# Altium PCB PCB1.PcbDoc (part 4 of 5) (continued)
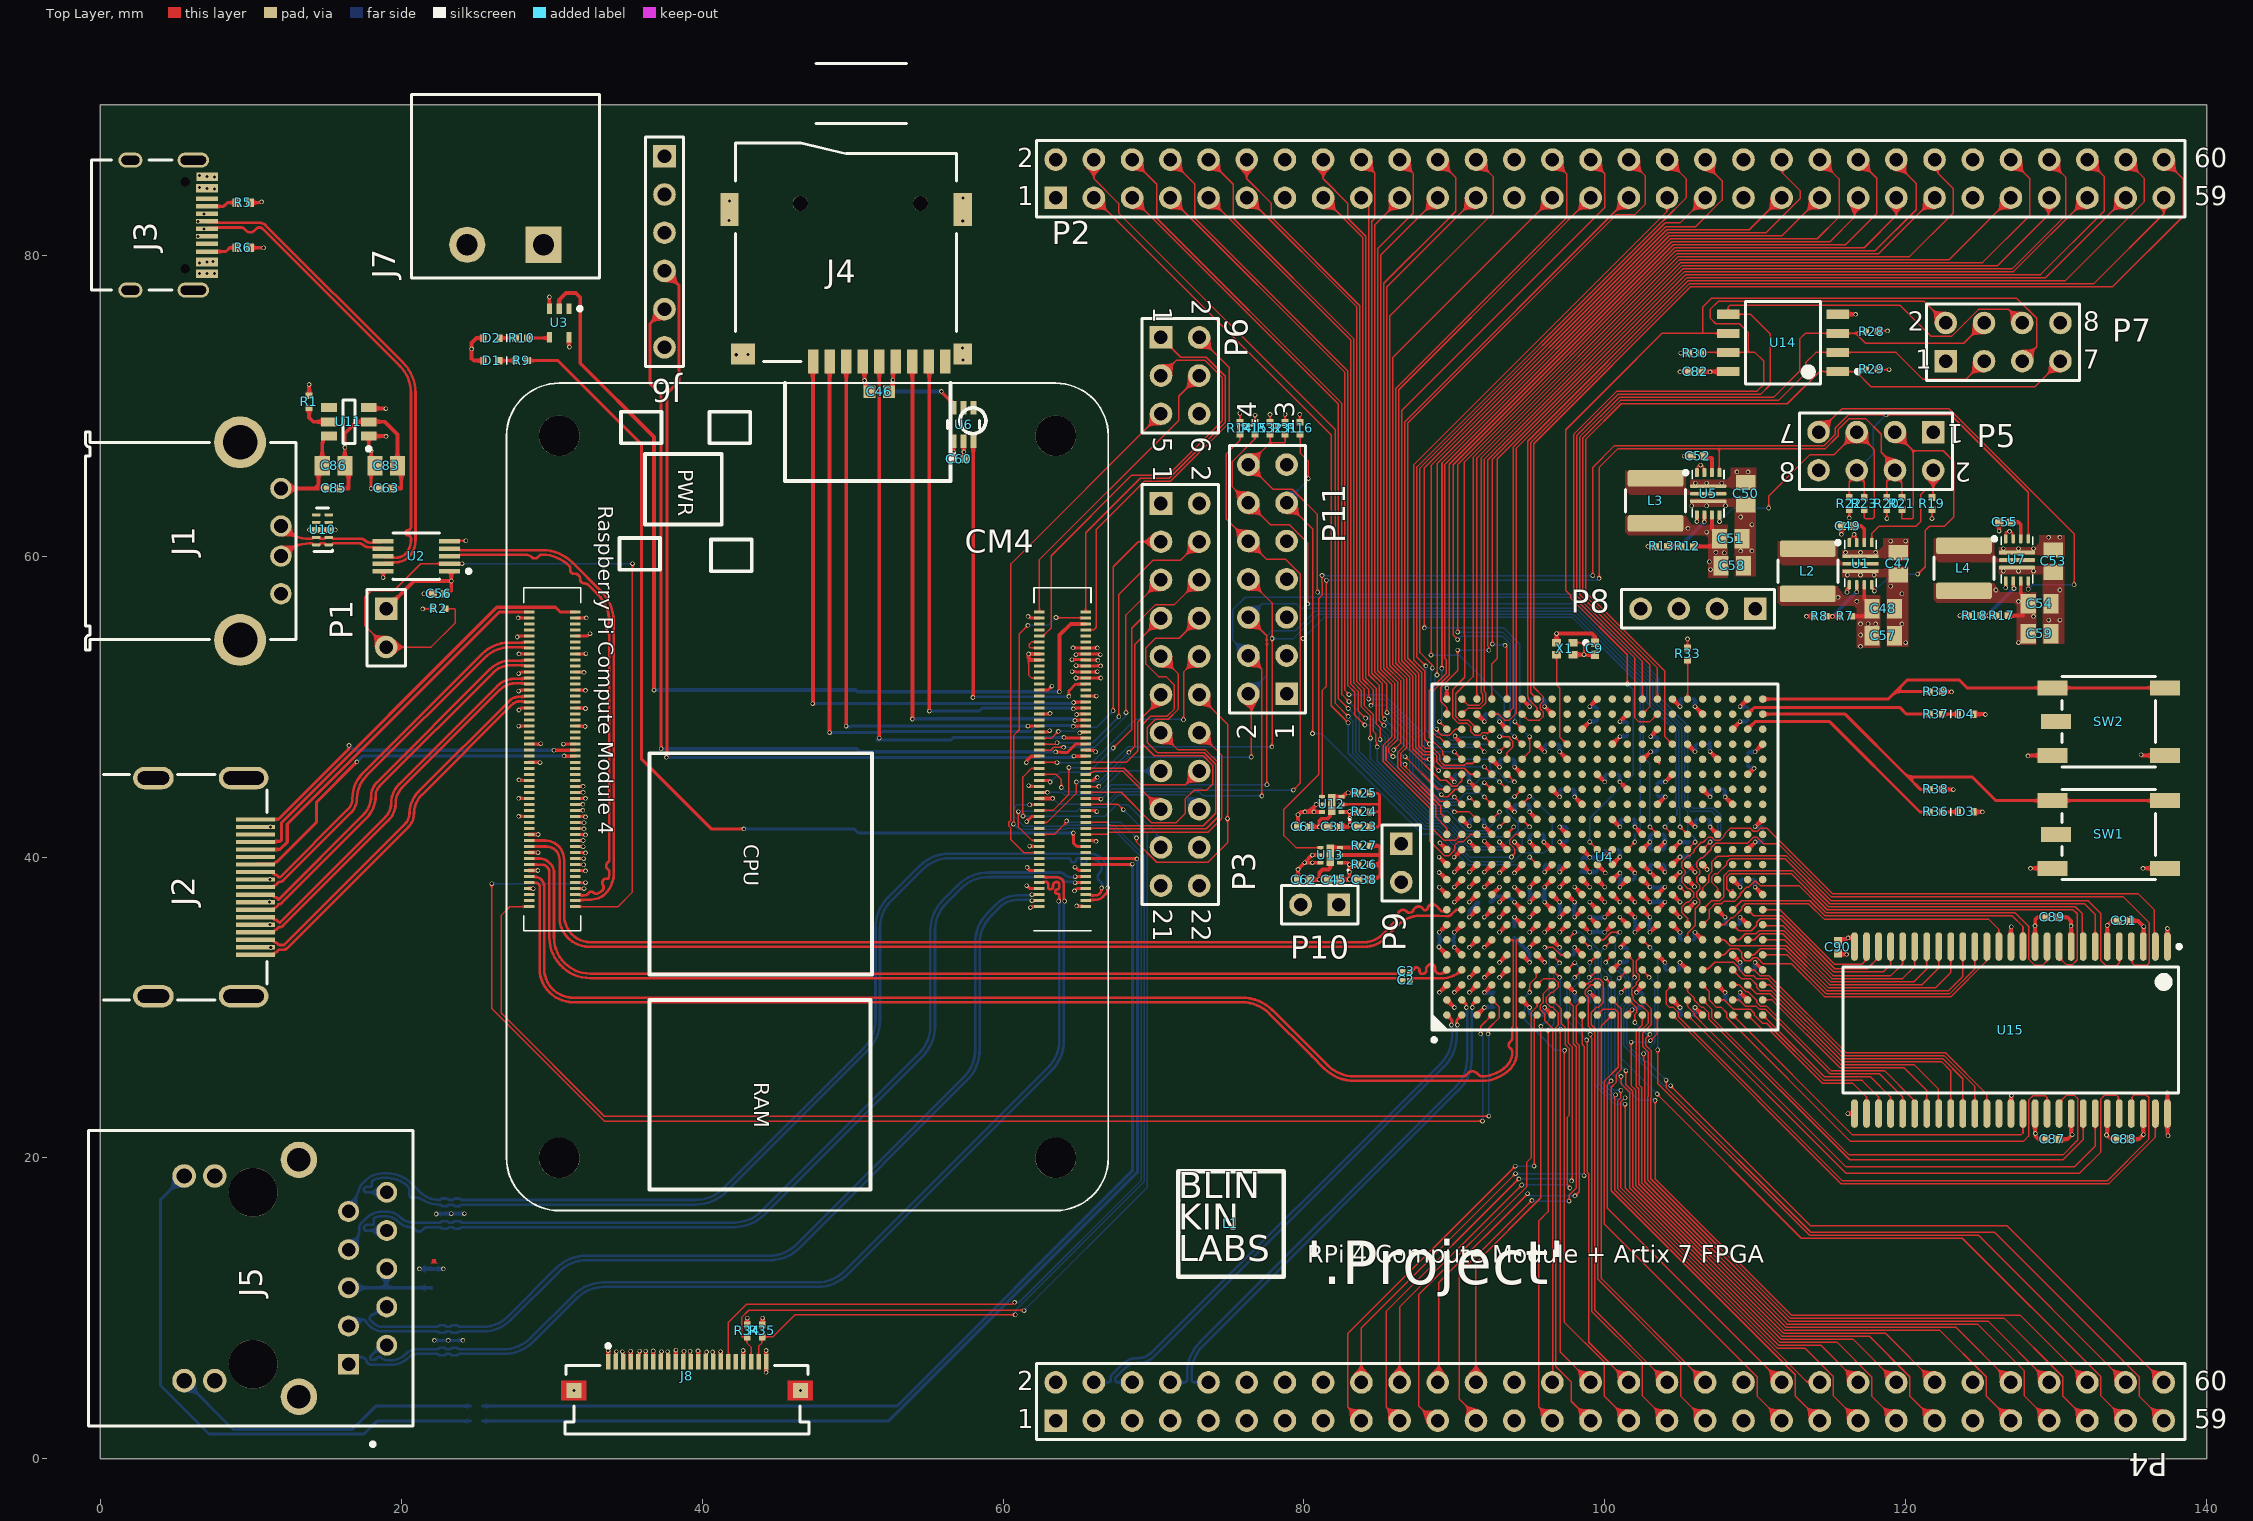
[diagram p0: Top Layer view]
## Nets (pads, with @x,y where several pads share a name; then routed paths per layer and width w, separated by ;. In a path a pad name is that pad's centre, name@x,y a point inside that pad or via, vN(x,y) a via of type N, cw(c..) or ccw(c..) an arc to the next point about the centre after c; other vN are vias at no path point) (continued)
  other v1: 31.475,4.55 46.525,4.55 131.075,21.55 11.325,33.989 11.275,35.514 11.25,37.014 11.275,38.514 120,54.25 119.75,55.5 129.5,55.75 130.25,55.75 119.75,57.5 130.25,57.75 119,58 116.125,58.75 117,58.75 117.9,58.75 126.5,59 127.5,59 128.5,59 109.025,60.35 109.775,60.35 109.775,62.1 109.025,62.6 105.775,63.35 106.775,63.35 108.025,63.35 57.342,73.049 42.267,73.389 43.038,73.402 57.295,73.85 7.092,78.775 6.6,78.8 7.6,78.8 57.324,82.285 41.797,82.302 41.823,83.609 57.342,83.821 7.6,85.2 7.1,85.225 6.6,85.3
HDMI0_CEC: CM4.151 J2.13 | length 25
  Top Layer w0.203: J2.13@10.325,39.5 10.363,39.538 11.523,39.538 11.644,39.659 11.708,39.659 14.369,42.321 14.369,43.644 v1(17.05,46.325) ; v1(30.825,46.725) 30.853,46.725 30.877,46.7 CM4.151@31.58,46.7
  Bottom Layer w0.203: v1(17.05,46.325) 17.45,46.725 v1(30.825,46.725)
HDMI0_CLK_N: CM4.190 J2.12 | length 25.5
  Top Layer w0.174: J2.12@10.325,39 11.398,39 cw(c11.398,38.91) 11.462,38.974 cw(c11.398,38.91) 11.488,38.91 ccw(c11.633,39.007) 11.552,38.852 11.566,38.845 ccw(c11.646,39) 11.636,38.826 cw(c11.625,38.64) 11.785,38.735 ccw(c11.934,38.825) 11.934,38.651 16.461,43.177 ccw(c15.763,43.875) 16.75,43.875 16.75,43.878 cw(c19.161,43.878) 17.456,45.582 25.399,53.525 cw(c27.15,51.774) 26.104,54.019 cw(c27.15,51.774) 27.15,54.251 CM4.190@28.166,54.251 ; CM4.190@28.5,54.3 CM4.190@28.285,54.3 ; CM4.190@28.166,54.251 ccw(c28.166,54.335) 28.19,54.254 ccw(c28.166,54.335) 28.224,54.274 ccw(c28.166,54.335) CM4.190@28.225,54.275 ; CM4.190@28.166,54.251 ccw(c28.166,54.335) CM4.190@28.225,54.275 ; CM4.190@28.225,54.275 cw(c28.285,54.216) CM4.190@28.285,54.3 ; CM4.190@28.225,54.275 cw(c28.285,54.216) CM4.190@28.285,54.3
HDMI0_CLK_P: CM4.188 J2.10 | length 25.4
  Top Layer w0.108: CM4.188@28.204,53.946 CM4.188@28.204,53.953
  Top Layer w0.174: J2.10@10.325,38 11.398,38 11.723,38.202 ccw(c11.625,38.36) 11.785,38.265 cw(c11.934,38.175) 11.934,38.349 ; 11.935,38.349 ccw(c11.935,38.649) 12.147,38.437 16.675,42.965 ccw(c15.768,43.873) 17.051,43.873 17.051,43.875 cw(c19.167,43.875) 17.671,45.371 25.524,53.224 cw(c27.275,51.473) 26.129,53.668 cw(c27.275,51.473) 27.275,53.949 28.166,53.949 cw(c28.166,53.865) CM4.188@28.225,53.925 ; CM4.188@28.5,53.9 CM4.188@28.285,53.9 ; CM4.188@28.225,53.925 ccw(c28.285,53.984) CM4.188@28.285,53.9 ; CM4.188@28.225,53.925 ccw(c28.285,53.984) CM4.188@28.285,53.9
HDMI0_HOTPLUG: CM4.153 J2.19 | length 23.6
  Top Layer w0.203: J2.19@10.325,42.5 11.823,42.5 16.506,47.183 16.506,47.406 v1(16.525,47.425) ; v1(30.15,47.1) CM4.153@31.58,47.1
  Bottom Layer w0.203: v1(16.525,47.425) 16.85,47.1 v1(30.15,47.1)
HDMI0_SCL: CM4.200 J2.15 | length 25.4
  Top Layer w0.203: J2.15@10.325,40.5 11.93,40.5 12.423,40.993 12.423,42.197 26.526,56.3 CM4.200@28.5,56.3
HDMI0_SDA: CM4.199 J2.16 | length 28.5
  Top Layer w0.203: J2.16@10.325,41 10.363,41.038 11.931,41.038 12.05,41.157 12.05,42.3 26.352,56.602 30.248,56.602 30.55,56.3 CM4.199@31.58,56.3
HDMI0_TX0_N: CM4.184 J2.9 | length 25.5
  Top Layer w0.174: J2.9@10.325,37.5 11.398,37.5 cw(c11.398,37.41) 11.461,37.474 cw(c11.398,37.41) 11.488,37.41 ccw(c11.633,37.507) 11.552,37.353 11.566,37.345 ccw(c11.646,37.5) 11.636,37.326 cw(c11.625,37.14) 11.798,37.21 ccw(c11.959,37.276) 11.801,37.202 11.825,37.151 17.47,42.796 ccw(c16.191,44.075) 18,44.075 18,44.077 cw(c19.204,44.077) 18.353,44.929 25.913,52.489 cw(c27.269,51.132) 27.269,53.051 28.166,53.051 ccw(c28.166,53.135) 28.19,53.054 ccw(c28.166,53.135) CM4.184@28.224,53.074 ; CM4.184@28.225,53.075 cw(c28.285,53.016) 28.285,53.1 CM4.184@28.5,53.1
HDMI0_TX0_P: CM4.182 J2.7 | length 25.4
  Top Layer w0.174: J2.7@10.325,36.5 11.398,36.5 11.723,36.702 ccw(c11.625,36.86) 11.798,36.79 cw(c11.959,36.725) 11.801,36.799 11.825,36.849 ; 11.826,36.849 ccw(c11.826,37.149) 12.038,36.937 17.687,42.586 ccw(c16.203,44.07) 18.301,44.07 18.301,44.075 cw(c19.21,44.075) 18.568,44.718 26.125,52.275 cw(c27.27,51.13) 27.27,52.749 28.166,52.749 cw(c28.166,52.665) 28.225,52.725 ccw(c28.285,52.784) 28.285,52.7 CM4.182@28.5,52.7
HDMI0_TX1_N: CM4.178 J2.6 | length 25.6
  Top Layer w0.174: J2.6@10.325,36 11.398,36 cw(c11.398,35.91) 11.462,35.974 cw(c11.398,35.91) 11.488,35.91 ccw(c11.633,36.007) 11.552,35.852 11.566,35.845 ccw(c11.647,36) 11.636,35.826 cw(c11.625,35.64) 11.785,35.735 ccw(c11.934,35.825) 11.934,35.651 18.952,42.668 ccw(c18.041,43.579) 19.329,43.579 ; 19.329,43.58 cw(c21.1,43.58) 19.848,44.832 26.395,51.379 cw(c27.534,50.24) 27.534,51.851 28.166,51.851 ccw(c28.166,51.935) 28.225,51.875 cw(c28.285,51.816) 28.285,51.9 CM4.178@28.5,51.9
HDMI0_TX1_P: CM4.176 J2.4 | length 25.5
  Top Layer w0.174: J2.4@10.325,35 11.398,35 11.723,35.202 ccw(c11.625,35.36) 11.785,35.265 cw(c11.934,35.175) 11.934,35.349 ; 11.935,35.349 ccw(c11.935,35.649) 12.147,35.437 19.165,42.456 ccw(c18.043,43.578) 19.63,43.578 ; 19.63,43.579 cw(c21.102,43.579) 20.062,44.62 26.564,51.122 cw(c27.596,50.089) 27.596,51.549 28.166,51.549 cw(c28.166,51.465) 28.225,51.525 ccw(c28.285,51.584) 28.285,51.5 CM4.176@28.5,51.5
HDMI0_TX2_N: CM4.172 J2.3 | length 25.7
  Top Layer w0.174: J2.3@10.325,34.5 11.398,34.5 cw(c11.398,34.41) 11.462,34.474 cw(c11.398,34.41) 11.488,34.41 ccw(c11.633,34.507) 11.552,34.352 11.566,34.345 ccw(c11.646,34.5) 11.636,34.326 cw(c11.625,34.14) 11.785,34.235 ccw(c11.934,34.325) 11.934,34.151 12.2,34.151 20.268,42.218 ccw(c19.586,42.9) 20.55,42.9 cw(c22.603,42.901) 21.151,44.352 27.184,50.385 cw(c27.825,49.744) 27.825,50.651 28.166,50.651 ccw(c28.166,50.735) 28.225,50.675 cw(c28.285,50.616) 28.285,50.7 CM4.172@28.5,50.7
HDMI0_TX2_P: CM4.170 J2.1 | length 25.7
  Top Layer w0.174: J2.1@10.325,33.5 11.398,33.5 11.723,33.702 ccw(c11.625,33.86) 11.785,33.765 cw(c11.934,33.675) 11.934,33.849 12.201,33.849 ccw(c12.201,34.149) 12.413,33.937 20.481,42.006 ccw(c19.588,42.899) 20.851,42.899 ; 20.851,42.9 cw(c22.605,42.9) 21.365,44.14 27.353,50.128 cw(c27.888,49.593) 27.888,50.349 28.166,50.349 cw(c28.166,50.265) 28.225,50.325 ccw(c28.285,50.384) 28.285,50.3 CM4.170@28.5,50.3
LED_0: R36.1 U4.AA20 | length 14.8
  Top Layer w0.203: U4.AA20@109.5,48.5 110,49 114.95,49 120.95,43 R36.1@121.6,43
LED_1: R37.1 U4.AA21 | length 12.5
  Top Layer w0.203: U4.AA21@109.5,49.5 109.951,49.951 119.599,49.951 120.05,49.5 R37.1@121.6,49.5
LED_ACT: CM4.21 R9.1 | length 63.1
  Top Layer w0.203: R9.1@28.4,73 30.409,73 35.982,67.427 35.982,46.5 40.607,41.875 v1(42.775,41.875) ; v1(64.675,41.599) 64.675,40.931 64.906,40.7 CM4.21@65.5,40.7
  Bottom Layer w0.203: v1(42.775,41.875) 50.1,41.875 50.377,41.598 64.674,41.598 v1(64.675,41.599)
LED_nPWR: CM4.95 U3.2 | length 63.3
  Top Layer w0.254: U3.2@30.5,76.45 30.5,77.069 30.519,77.069 30.95,77.5 31.6,77.5 31.9,77.2 31.9,72.825 36.8,67.925 v1(36.8,51.1) ; v1(63.75,50.989) 63.75,54.75 64.5,55.5 CM4.95@65.5,55.5
  Bottom Layer w0.254: v1(36.8,51.1) 50.212,51.1 50.328,50.983 63.745,50.983 v1(63.75,50.989)
MTGAVCC: C4.2 C5.1 C6.1 C23.1 C31.2 P9.1 R24.2 U4.D6 U4.D10 U4.E8 U4.F7 U4.F9 U12.1 | length 7.5
  Top Layer w0.254: C31.2@82.39,42 82.938,42 v1(83.071,42.133) ; U12.1@82.51,43 v1@83.055,43 ; R24.2@83.6,43 v1@83.055,43 ; C23.1@83.61,42 83.477,42.133 v1(83.071,42.133) ; v1(92,34) U4.D6@92.5,34.5 ; v1(92,38) U4.D10@92.5,38.5 ; v1(93,36) U4.E8@93.5,36.5 ; v1(94,36) U4.F7@94.5,35.5 ; v1(94,38) U4.F9@94.5,37.5 ; v1@83.055,43 83.055,42.149 v1(83.071,42.133)
  Bottom Layer w0.254: v1(92,38) v1@92.01,37.99 ; v1(93,36) v1@93.01,35.99 ; v1@93.99,35.99 v1(94,36) C4.2@94,35.39
  other v1: 83.055,42.574 83.035,43.029
MTGAVTT: C7.1 C8.1 C38.1 C45.2 C84.2 P10.1 R11.2 R26.2 U4.B5 U4.B7 U4.B9 U4.B11 U4.C4 U4.C8 U13.1 | length 10.1
  Top Layer w0.254: C45.2@82.39,38.5 v1@83.05,38.5 ; U13.1@82.41,39.625 82.9,39.625 v1(83.025,39.5) ; R26.2@83.6,39.5 v1(83.025,39.5) ; C38.1@83.61,38.5 v1@83.05,38.5 ; v1(90,34) U4.B5@90.5,33.5 ; v1(90,35) U4.B7@90.5,35.5 ; v1(90,37) U4.B9@90.5,37.5 ; v1(90,39) U4.B11@90.5,39.5 ; v1(91,32) U4.C4@91.5,32.5 ; v1(91,36) U4.C8@91.5,36.5 ; v1(83.025,39.5) v1(83.025,38.525) v1@83.05,38.5
  Bottom Layer w0.254: C84.2@89.89,34.5 cw(c89.624,34.234) 90,34.234 v1(90,34) ; C84.2@89.89,34.5 ccw(c89.624,34.766) 90,34.766 v1(90,35) ; v1@89.99,36.99 v1(90,37) ; v1(91,32) v1@91.01,32.01 ; v1@91.01,35.99 v1(91,36) 91.01,36.01 91.01,36.41 R11.2@91.6,37
  other v1: 83.025,39.013
NetC1_2: C1.2 J5.5 J5.6 | length 6.8
  Bottom Layer w0.254: J5.5@16.5,11.365 19,11.365 ; J5.6@19.04,12.635 19,12.595 19,11.365 ; C1.2@22,11.35 21.985,11.365 19,11.365
NetC23_2: C23.2 R24.1 R25.2 U12.2 | length 6.5
  Top Layer w0.174: U12.2@82.51,43.5 85,43.5 85.025,43.475 ; C23.2@84.39,42 84.9,42 85.025,42.125 85.025,42.975 ; R24.1@84.4,43 85,43 85.025,42.975 ; R25.2@84.4,44.25 84.9,44.25 85.025,44.125 85.025,43.475 ; 85.025,42.975 85.025,43.475
NetC38_2: C38.2 R26.1 R27.2 U13.2 | length 6.8
  Top Layer w0.254: U13.2@82.41,40.125 85.075,40.125 85.1,40.15 ; C38.2@84.39,38.5 84.523,38.633 84.933,38.633 85.1,38.8 85.1,39.5 ; R26.1@84.4,39.5 85.1,39.5 ; R27.2@84.4,40.75 84.95,40.75 85.1,40.6 85.1,40.15 ; 85.1,39.5 85.1,40.15
NetC49_1: C49.1 U1.9 | length 1.7
  Top Layer w0.254: C49.1@116.54,62 117.05,62 117.25,61.8 U1.9@117.25,60.9
NetC52_1: C52.1 U5.9 | length 1.6
  Top Layer w0.254: C52.1@106.565,66.65 106.698,66.517 107.108,66.517 107.125,66.5 U5.9@107.125,65.55
NetC55_1: C55.1 U7.9 | length 1.7
  Top Layer w0.254: C55.1@126.99,62.25 126.991,62.249 127.501,62.249 127.65,62.1 U7.9@127.65,61.15
NetD1_2: D1.2 R9.2 | length 1.1
  Top Layer w0.203: D1.2@26.525,73 R9.2@27.6,73
NetD2_2: D2.2 R10.2 | length 1.1
  Top Layer w0.203: D2.2@26.525,74.5 R10.2@27.6,74.5
NetD3_2: D3.2 R36.2 | length 1.1
  Top Layer w0.203: R36.2@122.4,43 D3.2@123.475,43
NetD4_2: D4.2 R37.2 | length 1.1
  Top Layer w0.203: R37.2@122.4,49.5 D4.2@123.475,49.5
NetJ3_A5: J3.A5 R5.1 | length 2.1
  Top Layer w0.203: J3.A5@7.092,83.25 8.2,83.25 8.45,83.5 R5.1@9.05,83.5
NetJ3_B5: J3.B5 R6.1 | length 2.1
  Top Layer w0.203: J3.B5@7.092,80.25 8.35,80.25 8.6,80.5 R6.1@9.05,80.5
NetJ5_L2: J5.L2 R3.2 | length 36.9
  Bottom Layer w0.203: J5.L2@5.57,18.8 4,17.23 4,4.875 7.225,1.65 8.693,1.65 8.695,1.648 16.875,1.648 16.877,1.65 17.525,1.65 18.375,2.5 R3.2@24.6,2.5
NetJ5_L4: J5.L4 R4.2 | length 21
  Bottom Layer w0.203: J5.L4@5.57,5.2 8.82,1.95 16.75,1.95 18.3,3.5 R4.2@24.6,3.5
NetL2_1: L2.1 U1.2
NetL3_1: L3.1 U5.2
NetL4_1: L4.1 U7.2
NetR1_2: R1.2 U11.5 | length 2.1
  Top Layer w0.254: R1.2@13.874,69.858 13.874,69.208 14.152,68.93 U11.5@15.19,68.93
NetR7_1: R7.1 R8.2 U1.5 | length 3.7
  Top Layer w0.254: R8.2@114.7,56 v1(115.125,56) ; v1@115.135,56.01 v1(115.125,56) ; R7.1@115.6,56 v1(115.125,56) ; v1(116.75,57.625) U1.5@116.75,58.1
  Bottom Layer w0.254: v1@115.135,56.01 v1(116.75,57.625)
NetR10_1: R10.1 U3.4 | length 1.5
  Top Layer w0.203: R10.1@28.4,74.5 29.8,74.5 U3.4@29.85,74.55
NetR11_1: R11.1 U4.F8 | length 2.6
  Top Layer w0.254: v1(94,37) U4.F8@94.5,36.5
  Bottom Layer w0.254: R11.1@92.4,37 92.778,37.378 93.622,37.378 v1(94,37)
NetR12_1: R12.1 R13.2 U5.5 | length 4
  Top Layer w0.254: R13.2@104.175,60.65 v1(104.675,60.65) R12.1@105.075,60.65 ; v1(106.625,62.274) U5.5@106.625,62.75
  Bottom Layer w0.254: v1(104.675,60.65) 105.001,60.65 v1(106.625,62.274)
NetR17_1: R17.1 R18.2 U7.5 | length 4
  Top Layer w0.254: R18.2@125,56.05 v1(125.5,56.05) R17.1@126,56.05 ; U7.5@127.15,58.35 127.152,58.348 127.152,57.912 127.2,57.864 v1(127.2,57.85)
  Bottom Layer w0.254: v1(125.5,56.05) 125.51,56.06 125.51,56.16 v1(127.2,57.85)
nEXTRST: CM4.100 P6.4 | length 20.1
  Top Layer w0.1: CM4.100@62.42,56.3 62.42,59.77 71.675,69.025 71.675,70.635 P6.4@73.04,72
nRPIBOOT: CM4.93 P6.2 | length 25.6
  Top Layer w0.1: CM4.93@65.5,55.1 66.025,55.1 66.2,55.275 66.2,61.775 69.4,64.975 71.138,64.975 75.05,68.887 75.05,72.53 P6.2@73.04,74.54
PCIe_CLK_N: CM4.112 U4.E6 | length 83.4
  Top Layer w0.1: U4.E6@93.5,34.5 93.8,34.5 cw(c93.8,34.4) 93.871,34.471 cw(c93.8,34.4) 93.9,34.4 ; 93.855,28.663 ccw(c93.733,28.785) 93.906,28.785 93.901,29.496 cw(c94.5,29.5) 93.901,29.507 93.906,29.889 ccw(c93.806,29.89) 93.906,29.891 93.901,30.495 93.901,30.5 93.901,32.5 93.901,32.504 93.906,33.13 93.906,34.445 ccw(c93.828,34.445) 93.883,34.5
  Top Layer w0.174: CM4.112@28.5,38.7 28.831,38.7 cw(c28.831,38.029) 29.501,38.029 29.501,32.574 ccw(c31.425,32.574) 31.425,30.65 75.9,30.65 cw(c75.9,27.811) 77.908,29.818 81.557,26.169 ccw(c83.353,27.965) 83.353,25.425 90.586,25.425 ccw(c90.586,25.707) 90.785,25.508 90.929,25.651 cw(c91.183,25.397) 91.183,25.757 cw(c91.183,25.263) 91.532,25.612 91.639,25.505 ccw(c91.832,25.698) 91.832,25.425 ccw(c91.832,27.736) 93.466,26.102 ccw(c92.528,27.04) 93.855,27.04 ccw(c93.573,27.04) 93.773,27.239 ; 93.729,27.727 93.684,27.682 ccw(c93.858,27.508) 93.612,27.508 ccw(c93.873,27.508) 93.689,27.323 93.772,27.24 ; 93.729,27.727 ccw(c93.426,28.03) 93.855,28.03 93.855,28.663
PCIe_CLK_P: CM4.110 U4.F6 | length 83.3
  Top Layer w0.1: 94.1,32.998 94.1,34.4 cw(c94.2,34.4) 94.129,34.471 cw(c94.2,34.4) 94.2,34.5 U4.F6@94.5,34.5 ; 94.106,29.887 94.101,29.505 ccw(c94.5,29.5) 94.101,29.5 ccw(c94.5,29.5) 94.101,29.497 94.106,28.787 cw(c93.906,28.785) 94.106,28.785 ccw(c94.279,28.785) 94.156,28.663 ; 94.106,29.888 94.106,29.89 ccw(c93.806,29.89) 94.106,29.893 94.101,30.496 cw(c94.5,30.5) 94.101,30.5 94.101,32.5 cw(c94.5,32.5) 94.101,32.504 94.106,32.998
  Top Layer w0.174: CM4.110@28.5,38.3 28.929,38.3 cw(c28.929,38.029) 29.2,38.029 29.2,32.574 ccw(c31.425,32.574) 31.425,30.349 75.899,30.349 cw(c75.899,27.809) 77.695,29.605 80.5,26.8 ; 80.526,26.774 81.345,25.955 ccw(c83.353,27.963) 83.353,25.124 91.836,25.124 ccw(c91.836,27.727) 93.677,25.886 93.681,25.891 ccw(c92.535,27.037) 94.156,27.037 94.156,28.663
PCIe_nREQ: CM4.102 U4.D2 | length 85.3
  Top Layer w0.1: CM4.102@28.5,36.7 27.219,36.7 26.662,36.142 26.662,29.613 33.5,22.775 v1(92.3,22.775) ; v1(92.25,28.25) 92.25,28.582 92.999,29.331 92.999,30.018 92.517,30.5 U4.D2@92.5,30.5
  Bottom Layer w0.1: v1(92.25,28.25) 92.275,28.225 92.275,22.8 v1(92.3,22.775)
PCIe_nRST: CM4.109 U4.D1 | length 91.6
  Top Layer w0.1: v1(26.017,38.229) 26.017,29.933 33.5,22.45 v1(91.875,22.45) ; CM4.109@31.58,38.3 v1(32.25,38.3) ; v1(91.75,28.25) 91.75,28.75 U4.D1@92.5,29.5
  Bottom Layer w0.1: v1(26.017,38.229) 32.179,38.229 v1(32.25,38.3) ; v1(91.75,28.25) 91.75,28.195 91.875,28.07 v1(91.875,22.45)
PCIe_RX_C_N: C3.1 U4.A4 | length 3.7
  Top Layer w0.174: C3.1@87.06,32.4 87.091,32.4 ccw(c87.091,32.648) 87.266,32.472 ; 87.266,32.473 87.28,32.487 ccw(c87.189,32.578) 87.318,32.578 87.396,32.656 cw(c87.424,32.629) 87.424,32.668 87.477,32.668 cw(c87.477,32.503) 87.593,32.619 87.648,32.564 cw(c87.569,32.485) 87.681,32.485 87.681,32.449 ccw(c87.928,32.449) 87.753,32.275 ccw(c87.813,32.335) 87.813,32.25 87.943,32.25 ccw(c87.943,32.425) 88.035,32.276 88.043,32.281 88.085,32.324 ccw(c87.989,32.42) 88.125,32.42 88.125,32.524 cw(c88.443,32.524) 88.218,32.749 88.277,32.807 ; 88.277,32.807 cw(c88.435,32.648) 88.435,32.873 88.485,32.873 cw(c88.485,32.661) 88.635,32.811 88.646,32.799 cw(c88.45,32.603) 88.728,32.603 88.728,32.506 ccw(c88.954,32.506) 88.794,32.346 ccw(c89.025,32.577) 89.025,32.25 89.175,32.25 89.394,32.344 ccw(c89.326,32.504) 89.449,32.381 89.452,32.383 ccw(c89.335,32.5) U4.A4@89.5,32.5
PCIe_RX_C_P: C2.1 U4.B4 | length 3.6
  Top Layer w0.174: C2.1@87.06,31.8 87.07,31.823 cw(c87.373,31.52) 87.371,31.949 89.323,31.949 89.331,31.95 ccw(c89.15,33.85) U4.B4@90.5,32.5
PCIe_RX_N: C3.2 CM4.118 | length 64.3
  Top Layer w0.174: CM4.118@28.5,39.9 29.226,39.9 cw(c29.226,39.1) 29.809,39.648 cw(c29.226,39.1) 29.819,39.638 cw(c29.325,38.975) 30.14,39.111 30.151,39.1 30.151,34.666 ccw(c32.566,34.666) 32.566,32.251 86.18,32.251 ccw(c86.18,32.664) 86.472,32.372 cw(c86.54,32.303) C3.2@86.54,32.4
PCIe_RX_P: C2.2 CM4.116 | length 64.2
  Top Layer w0.174: CM4.116@28.5,39.5 29.325,39.5 cw(c29.325,38.975) 29.85,38.975 29.85,34.666 ccw(c32.566,34.666) 32.566,31.949 86.18,31.949 cw(c86.18,31.536) C2.2@86.472,31.828
PCIe_TX_N: CM4.124 U4.A8 | length 68.2
  Top Layer w0.174: CM4.124@28.5,41.1 29.551,41.1 cw(c29.551,39.825) 30.826,39.825 30.826,36.113 ccw(c32.6,36.113) 32.6,34.339 84.01,34.339 ccw(c84.01,36.017) 85.196,34.831 86.237,35.872 ccw(c86.205,35.904) 86.251,35.904 ccw(c86.215,35.94) 86.266,35.94 86.266,36.22 cw(c86.456,36.22) 86.321,36.354 86.366,36.399 cw(c86.582,36.183) 86.582,36.488 cw(c86.582,36.156) 86.817,36.391 86.843,36.365 ccw(c87.013,36.536) 87.013,36.295 87.029,36.295 87.139,36.328 ccw(c87.089,36.495) 87.211,36.37 ; 87.212,36.371 87.218,36.377 87.257,36.416 ; 87.258,36.417 87.259,36.418 cw(c87.428,36.418) 87.309,36.537 87.383,36.611 cw(c87.631,36.363) 87.631,36.714 87.634,36.714 cw(c87.634,36.386) 87.865,36.618 88.024,36.46 ccw(c88.024,36.725) 88.211,36.537 88.237,36.564 88.237,36.597 cw(c88.43,36.597) 88.294,36.734 88.33,36.77 cw(c88.545,36.556) 88.545,36.859 cw(c88.545,36.544) 88.767,36.767 88.966,36.569 88.966,36.564 89.138,36.391 89.203,36.387 89.294,36.38 ccw(c89.307,36.554) 89.416,36.418 89.424,36.424 U4.A8@89.5,36.5
PCIe_TX_P: CM4.122 U4.B8 | length 68.3
  Top Layer w0.174: CM4.122@28.5,40.7 29.65,40.7 cw(c29.65,39.825) 30.525,39.825 30.525,35.988 ccw(c32.475,35.988) 32.475,34.038 84.012,34.038 ccw(c84.012,36.012) 85.408,34.616 86.297,35.505 cw(c87.73,34.073) 87.73,36.099 89.01,36.099 89.468,36.065 ccw(c89.5,36.5) 89.797,36.18 90.091,36.453 cw(c90.21,36.326) 90.21,36.5 U4.B8@90.5,36.5
PI_+1.8: CM4.88 CM4.90 | length 1.6
  Top Layer w0.1: CM4.88@62.42,53.9 61.809,53.9 61.75,53.959 61.75,54.15 61.9,54.3 CM4.90@62.42,54.3
PI_+3.3: C56.2 C60.2 CM4.78 CM4.84 CM4.86 D1.1 D2.1 J5.L1 J5.L3 J8.22 P1.1 P3.1 P3.2 R34.2 R35.2 U2.1 U3.5 U6.1 | length 18.5
  Top Layer w0.1: 61.7,53.249 61.7,52.1 61.9,51.9 CM4.78@62.42,51.9
  Top Layer w0.254: P1.1@19,56.5 20.849,58.349 v1(23.326,58.349) ; C56.2@22.89,57.5 23.023,57.633 23.26,57.633 23.326,57.698 v1(23.326,58.349) ; U2.1@23.326,59 v1(23.326,58.349) ; D1.1@25.475,73 24.824,73 24.675,73.149 v1(24.675,73.775) 24.675,74.175 25,74.5 D2.1@25.475,74.5 ; U3.5@31.15,74.55 31.15,73.939 31.175,73.914 v1(31.175,73.9) ; R34.2@43,8.9 v1(43,9.35) ; R35.2@44,8.9 44.015,8.915 44.015,9.34 v1(44.025,9.35) ; v1(44.25,5.75) v1(44.25,7.2) J8.22@44.25,6.45 ; C60.2@56.66,66.45 56.693,66.483 56.693,67.618 U6.1@56.725,67.65 U6.1@56.675,67.7 ; CM4.84@62.42,53.1 61.849,53.1 61.7,53.249 v1(61.7,53.5) CM4.86@62.42,53.5
  other v1: 56.71,66.915
PI_GPIO2: CM4.58 P3.3 | length 19.1
  Top Layer w0.1: CM4.58@62.42,47.9 63.225,47.9 v1(63.675,48.35) ; v1(67.325,49.725) 67.325,59.3 68.985,60.96 P3.3@70.5,60.96
  Bottom Layer w0.1: v1(63.675,48.35) 64.76,48.35 65.036,48.626 66.226,48.626 v1(67.325,49.725)
PI_GPIO3: CM4.56 P3.4 | length 21
  Top Layer w0.1: CM4.56@62.42,47.5 63.448,47.5 63.545,47.597 v1(63.6,47.597) ; v1(67.7,49.325) 67.7,57.45 69.975,59.725 71.805,59.725 P3.4@73.04,60.96
  Bottom Layer w0.1: v1(63.6,47.597) 65.972,47.597 v1(67.7,49.325)
PI_GPIO4: CM4.54 P3.5 | length 16.7
  Top Layer w0.1: CM4.54@62.42,47.1 63.179,47.1 63.375,47.296 63.725,47.296 63.743,47.314 63.986,47.314 64.004,47.296 v1(64.025,47.296) ; v1(68.175,49.6) 68.175,56.095 P3.5@70.5,58.42
  Bottom Layer w0.1: v1(64.025,47.296) 64.031,47.301 66.102,47.301 68.136,49.335 68.136,49.561 v1(68.175,49.6)
PI_GPIO5: CM4.34 P3.6 | length 22
  Top Layer w0.1: CM4.34@62.42,43.1 63.325,43.1 64.375,44.15 v1(64.375,45.95) ; v1(67.324,47.251) 68.552,48.478 68.552,55.203 70.128,56.779 71.399,56.779 P3.6@73.04,58.42
  Bottom Layer w0.1: v1(64.375,45.95) 65.769,45.95 66.025,45.95 v1@67.324,47.249
PI_GPIO6: CM4.30 P3.7 | length 18.1
  Top Layer w0.1: CM4.30@62.42,42.3 62.927,42.3 64.878,44.251 v1(64.878,45.002) ; v1(68.362,46.96) 68.751,47.349 68.751,54.131 P3.7@70.5,55.88
  Bottom Layer w0.1: v1(64.878,45.002) v1(64.878,45.002) 66.402,45 v1(68.362,46.96)
PI_GPIO8: CM4.39 P3.8 | length 30.8
  Top Layer w0.1: CM4.39@65.5,44.3 67.855,44.3 69.675,42.48 69.874,42.281 71.506,42.281 72.1,42.875 72.1,43.85 72.682,44.432 73.507,44.432 73.939,44.864 73.939,46.092 73.305,46.727 70.048,46.727 69.25,47.525 69.25,48.8 69.808,49.358 70.908,49.358 71.399,49.849 71.399,51.426 70.826,51.999 70.326,51.999 69.5,52.825 69.5,53.907 70.143,54.55 71.71,54.55 P3.8@73.04,55.88
PI_GPIO16: CM4.29 P3.9 | length 25
  Top Layer w0.1: CM4.29@65.5,42.3 66.912,42.3 67.13,42.082 73.307,42.082 74.138,42.913 74.138,46.175 73.416,46.896 73.387,46.926 70.274,46.926 69.601,47.599 69.601,48.632 70.128,49.159 70.99,49.159 71.64,49.809 71.64,52.2 P3.9@70.5,53.34
PI_GPIO17: CM4.50 P3.10 | length 15.4
  Top Layer w0.1: CM4.50@62.42,46.3 62.434,46.286 63.588,46.286 v1(63.602,46.272) ; v1(72,49.125) 72,52.3 P3.10@73.04,53.34
  Bottom Layer w0.1: v1(63.602,46.272) 65.92,46.272 68.807,49.159 71.966,49.159 v1(72,49.125)
PI_GPIO18: CM4.49 P3.11 | length 8.2
  Top Layer w0.1: CM4.49@65.5,46.3 68.2,46.3 68.95,47.05 68.95,48.969 70.5,50.519 P3.11@70.5,50.8
PI_GPIO19: CM4.26 P3.12 | length 25.4
  Top Layer w0.1: CM4.26@62.42,41.5 63.4,41.5 64.225,42.325 v1(64.225,42.4) ; v1(68.875,41.275) 68.875,40.994 70.219,39.65 73.625,39.65 74.925,40.95 v1(74.925,42.55) 74.925,48.825 73.04,50.71 P3.12@73.04,50.8
  Bottom Layer w0.1: v1(64.225,42.4) 64.225,42.359 64.284,42.3 65.5,42.3 67.85,42.3 v1(68.875,41.275)
PI_GPIO20: CM4.27 P3.13 | length 17.4
  Top Layer w0.1: CM4.27@65.5,41.9 67.031,41.9 67.048,41.883 73.508,41.883 74.337,42.712 74.337,46.257 73.47,47.125 71.635,47.125 P3.13@70.5,48.26
PI_GPIO21: CM4.25 P3.14 | length 15.8
  Top Layer w0.1: CM4.25@65.5,41.5 66.9,41.5 67.05,41.65 73.625,41.65 74.55,42.575 74.55,46.75 P3.14@73.04,48.26
PI_GPIO22: CM4.46 P3.15 | length 9.4
  Top Layer w0.1: CM4.46@62.42,45.5 63.525,45.5 63.875,45.15 v1(63.875,44.625)
  Bottom Layer w0.1: v1(63.875,44.625) 64.148,44.352 66.459,44.352 67.826,45.72 P3.15@70.5,45.72
PI_GPIO23: CM4.47 P3.16 | length 8.4
  Top Layer w0.1: CM4.47@65.5,45.9 68.061,45.9 69.14,44.821 72.141,44.821 P3.16@73.04,45.72
PI_GPIO24: CM4.45 P3.17 | length 6.1
  Top Layer w0.1: CM4.45@65.5,45.5 65.75,45.5 65.901,45.651 66,45.651 66.05,45.701 67.979,45.701 P3.17@70.5,43.18
PI_GPIO26: CM4.24 P3.18 | length 15.7
  Top Layer w0.1: v1(61.025,43.024) 61.025,41.995 61.92,41.1 CM4.24@62.42,41.1
  Bottom Layer w0.1: v1(61.025,43.024) 61.051,43.05 64.925,43.05 65.196,43.321 66.871,43.321 67.699,44.15 72.07,44.15 P3.18@73.04,43.18
PI_GPIO27: CM4.48 P3.19 | length 15
  Top Layer w0.1: v1(61.326,42.719) 61.326,45.327 61.899,45.9 CM4.48@62.42,45.9
  Bottom Layer w0.1: v1(61.326,42.719) 66.794,42.719 67.55,43.475 68.3,43.475 70.235,41.54 70.235,40.905 P3.19@70.5,40.64
PI_SCL0: CM4.35 J8.20 R34.1 | length 62.4
  Top Layer w0.1: J8.20@43.25,6.45 43.25,7.425 42.975,7.7 42.975,8.075 R34.1@43,8.1 42.626,8.1 42.626,9.402 43.1,9.876 61.374,9.876 v1(61.4,9.85) ; CM4.35@65.5,43.5 67.65,43.5 v1(68,43.15)
  Bottom Layer w0.1: v1(61.4,9.85) 69.601,18.051 69.601,41.549 v1(68,43.15)
PI_SDA1: CM4.36 J8.21 R35.1 | length 65.4
  Top Layer w0.1: J8.21@43.75,6.45 43.75,7.475 43.975,7.7 43.975,8.075 R35.1@44,8.1 44.7,8.1 46.175,9.575 v1(60.825,9.575) ; v1(61.775,43.475) 61.788,43.488 62.407,43.488 CM4.36@62.42,43.5
  Bottom Layer w0.1: v1(60.825,9.575) 60.825,9.869 69.402,18.446 69.402,40.08 67.383,42.099 64.136,42.099 64.084,42.047 61.403,42.047 60.724,42.726 60.724,43.148 60.775,43.2 60.775,43.325 60.925,43.475 v1(61.775,43.475)
RUN_PG: CM4.92 P6.3 | length 28.8
  Top Layer w0.1: CM4.92@62.42,54.7 62.67,54.7 62.821,54.851 62.832,54.851 63.2,55.219 63.2,60.025 68.548,65.373 70.973,65.373 74.575,68.975 74.575,71.875 73.425,73.025 71.525,73.025 P6.3@70.5,72
RXD0: CM4.51 J6.4 | length 61
  Top Layer w0.203: J6.4@37.5,78.96 38.451,78.009 38.451,71.601 37.675,70.825 37.675,46.747 37.647,46.719 37.647,46.647 v1(37.628,46.628) ; v1(64.716,46.703) 64.718,46.7 CM4.51@65.5,46.7
  Bottom Layer w0.203: v1(37.628,46.628) 64.614,46.628 64.688,46.703 v1(64.716,46.703)
SD_+3.3: C46.1 J4.4 U6.6 | length 9.1
  Top Layer w0.254: J4.4@50.675,72.95 50.79,72.835 50.79,71.685 v1(50.8,71.675) 50.8,71.661 50.852,71.609 50.852,71.198 C46.1@51.125,70.925 ; v1(55.9,70.95) 55.9,70.925 56.725,70.1 U6.6@56.725,69.85
  Bottom Layer w0.254: v1(50.8,71.675) 51.525,70.95 v1(55.9,70.95)